# KiCad board FrontEnd_5G.kicad_pcb (continued)
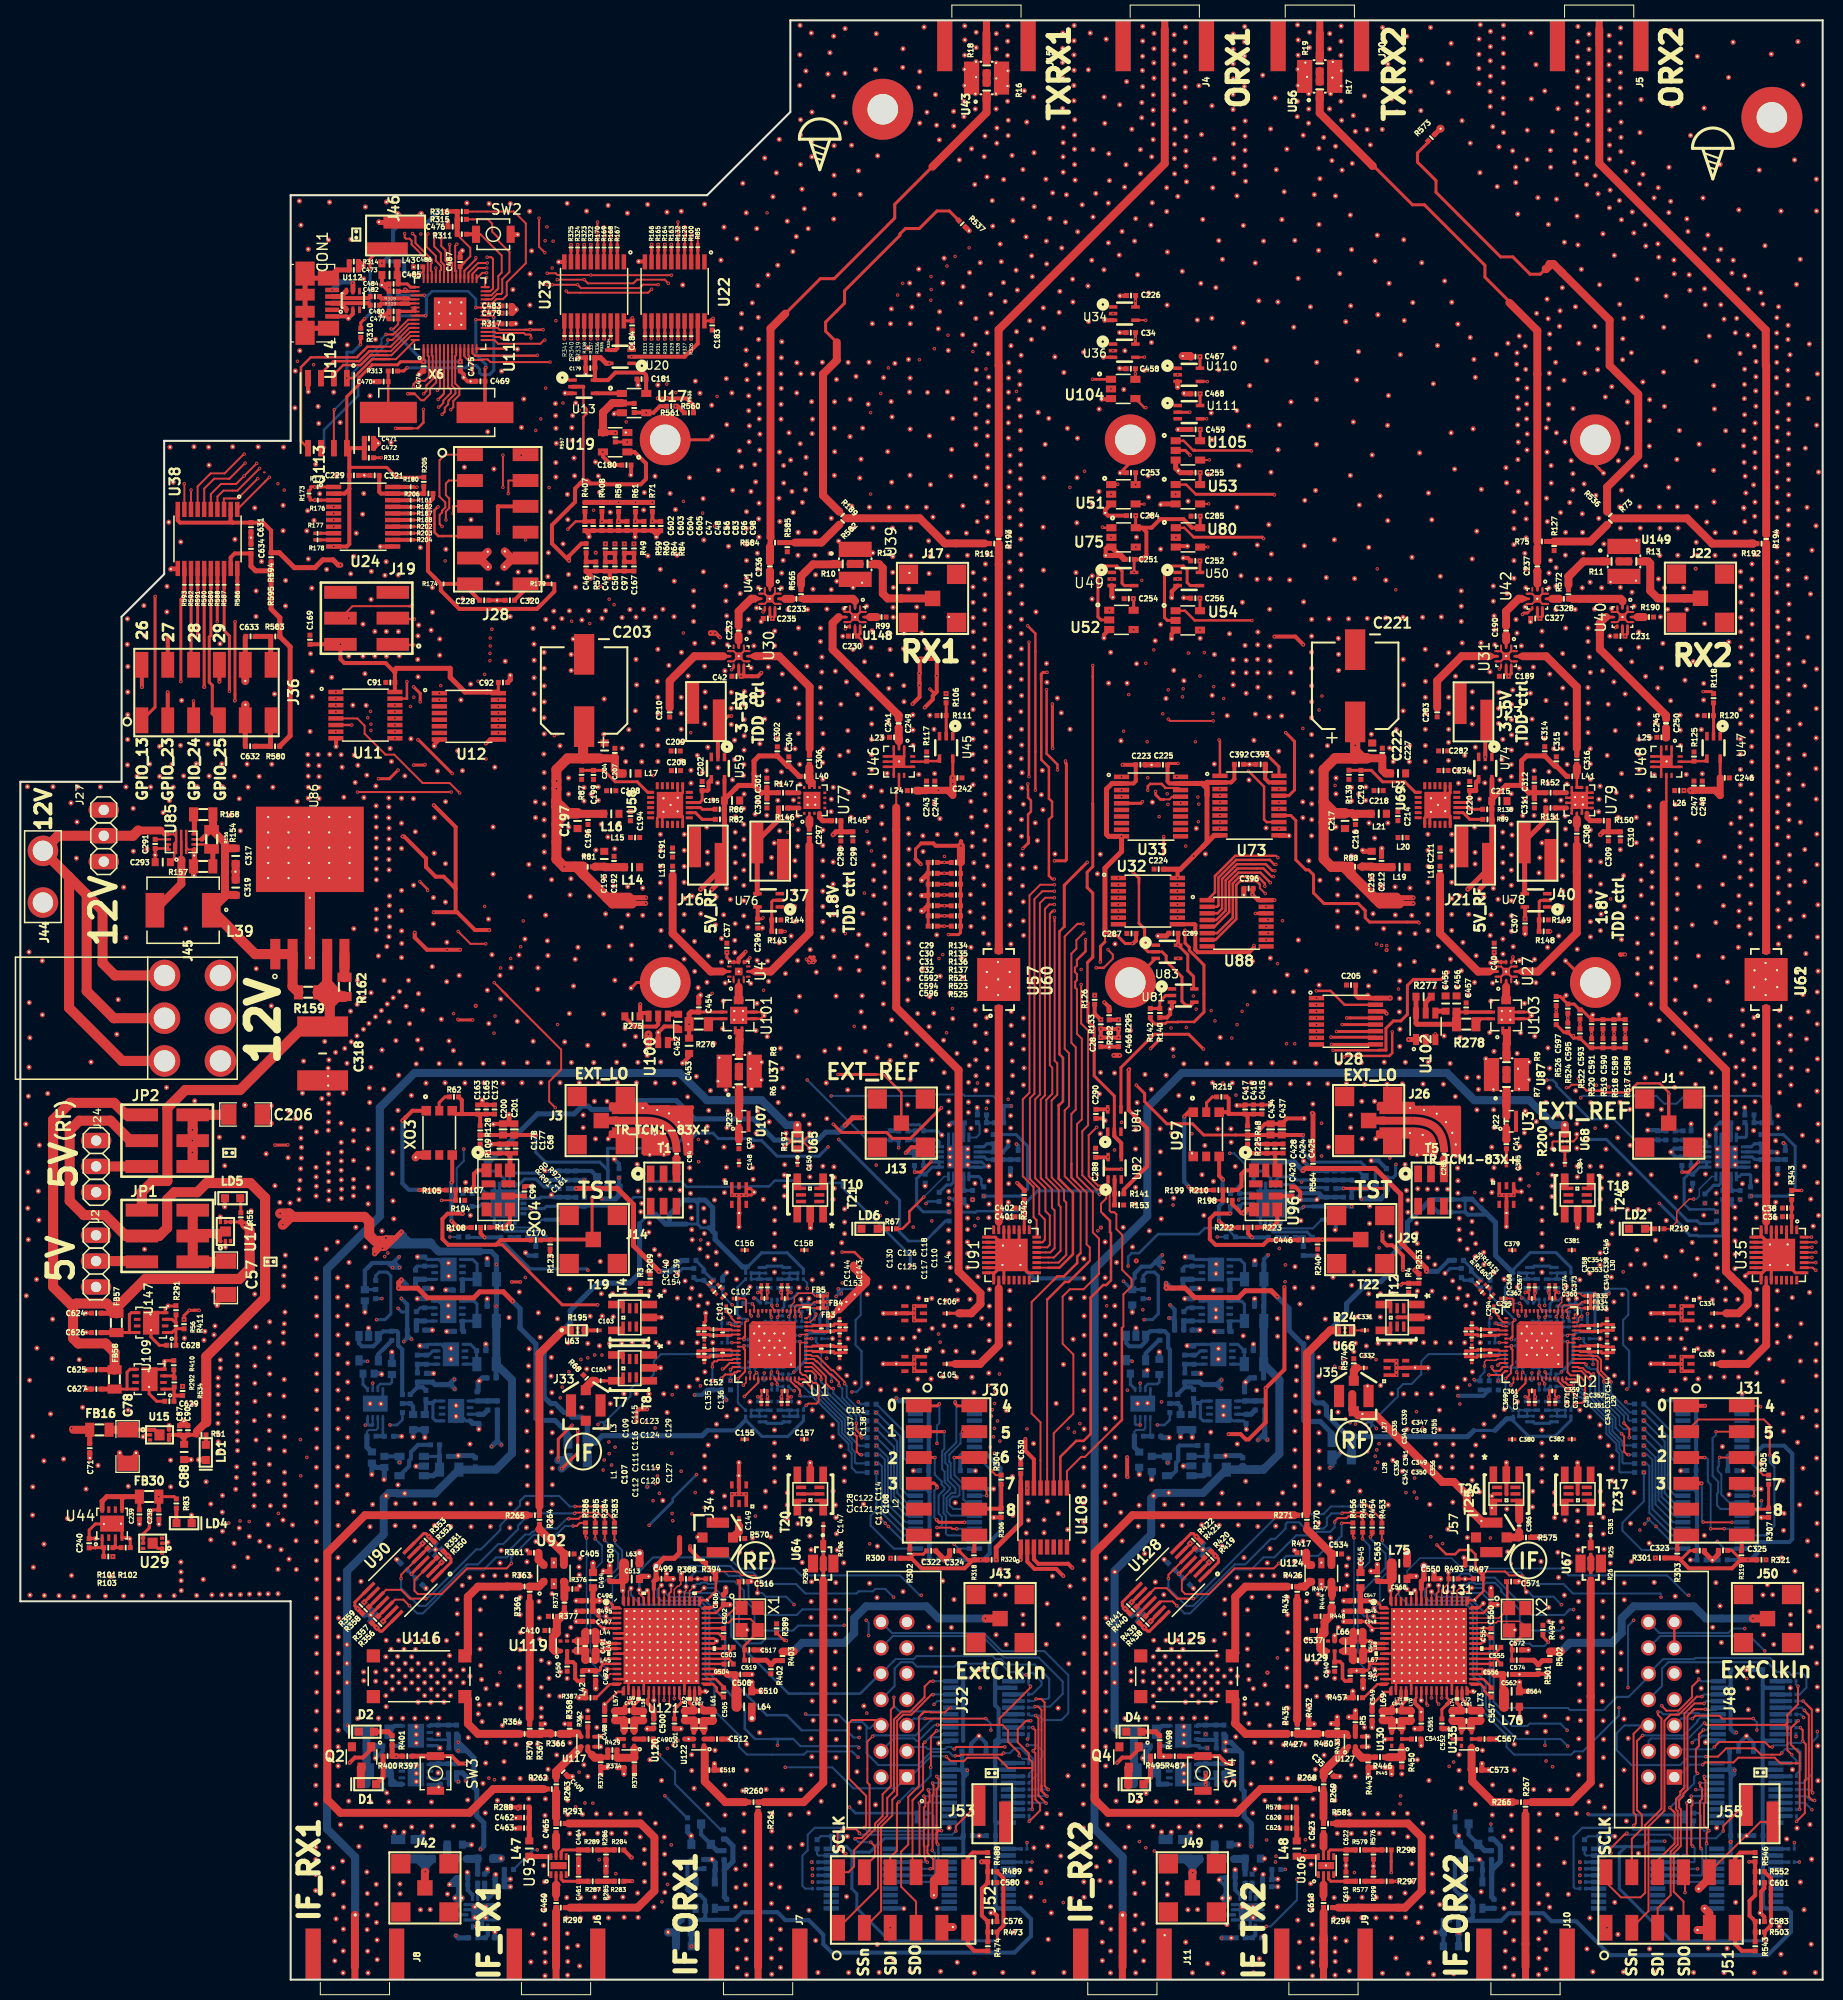
[diagram p0: board, top side]
## Routing (per net, layer and track width the routed paths; a pad name or vN(x,y) marks a point on that pad's centre or on a via; arc(x,y) is an arc through that point) (continued)
Net-(C1-Pad1): length 2.4
  F.RO w0.15: U1.41 77.63,64.61 78.21,65.19 v2(78.21,65.42)
  B2.RO w0.15: FB1.2 78.05,65.26 v2(78.21,65.42) 78.02,65.61 C1.1
Net-(C2-Pad1): length 2.7
  F.RO w0.15: U1.42 77.63,65.31 v2(77.63,65.44) 77.63,65.4
  B2.RO w0.15: 77.63,65.65 v2(77.63,65.44) ; 77.63,65.65 77.63,64.6 77.9,64.33 FB2.2 ; 77.63,65.65 C2.1
Net-(C3-Pad1): length 6.3
  F.RO w0.15: U1.45 U1.45 ; U1.45 U1.45 ; U1.45 75.73,65.51 75.53,65.26 v2(75.53,65.16) ; U1.45 75.73,66.24 76.07,66.58 76.07,67.03 76.38,67.34 76.38,67.34 76.51,67.47 77.84,67.47 78.1,67.21 FB5.2
  B2.RO w0.15: 75.61,65.64 75.61,65.24 75.52,65.15 ; C3.1 75.62,65.07 v2(75.53,65.16) 75.62,65.25 C4.1
Net-(C5-Pad1): length 5.2
  F.RO w0.15: FB4.2 78.03,66.61 77.73,66.31 76.33,66.31 76.13,66.11 U1.44 ; U1.44 U1.44 ; U1.44 U1.44 ; U1.44 v2(76.13,65.15) U1.44
  B.FR4 w0.15: v2(76.13,65.15) 76.13,65.15
  B2.RO w0.15: 76.21,65.64 76.21,65.52 ; C5.1 76.22,65.06 v2(76.13,65.15) 76.22,65.24 C8.1
Net-(C6-Pad1): length 2.4
  F.RO w0.15: 69.72,64.48 69.9,64.3 ; 69.72,64.48 69.9,64.3 ; 69.72,64.48 v2(69.72,64.51) 69.72,64.48 ; 69.9,64.3 70.14,64.3 70.23,64.21 70.75,64.21 U1.3
  B2.RO w0.2: 70.35,64.5 69.5,64.5
Net-(C7-Pad1): length 3.4
  F.RO w0.15: v2(71.72,59.67) 71.73,59.66 U1.16
  B2.RO w0.15: C7.1 71.64,60.13 71.72,60.05 v2(71.72,59.67)
  B2.RO w0.2: 71.62,60.14 70.89,60.14 70.48,60.56 70.48,61.48
Net-(C9-Pad1): length 2.2
  F.RO w0.15: v2(72.38,59.66) 72.13,59.41 U1.17
  B2.RO w0.15: 72.55,58.92 72.52,58.94 ; FB6.2 72.57,58.94 72.53,58.98 72.53,59.51 v2(72.38,59.66) 72.23,59.81 C9.1
Net-(C10-Pad1): length 5.7
  F.RO w0.15: FB3.2 76.63,66.01 76.53,65.91 U1.43 U1.43 76.69,65.56 v2(76.69,65.22)
  B2.RO w0.15: 76.81,65.64 76.81,64.69 ; 76.82,65.09 76.74,65.17 76.82,65.25 C11.1 76.82,65.35 v2(76.69,65.22) 76.82,65.09 ; 76.82,65.09 C10.1 76.82,65.09
Net-(C12-Pad1): length 1.8
  F.RO w0.15: U1.7 v2(69.93,62.61)
  B2.RO w0.15: 69.92,62.6 69.5,62.6
  B2.RO w0.2: 69.52,63.23 69.52,62.95 69.5,62.93 69.5,62.6
Net-(C13-Pad1): length 2.3
  F.RO w0.15: v2(74.43,65.11) 74.53,65.21 U1.48
  B2.RO w0.15: 75.01,64.69 74.41,64.69 74.41,65.12
  B2.RO w0.2: 74.41,65.12 74.54,65.24 74.91,65.24
Net-(C16-Pad1): length 2.4
  F.RO w0.15: v2(74.43,59.71) 74.53,59.61 U1.23
  B2.RO w0.15: 74.42,59.72 74.42,60.14 75.02,60.14
  B2.RO w0.2: 74.42,59.72 74.62,59.52 74.95,59.52
Net-(C18-Pad1): length 2.4
  F.RO w0.15: v2(73.83,65.11) 73.73,65.21 U1.50
  B2.RO w0.15: 73.21,64.69 73.81,64.69 73.81,65.12
  B2.RO w0.2: 73.81,65.12 73.81,65.32 73.74,65.39 73.74,65.72
Net-(C21-Pad1): length 1.9
  F.RO w0.2: v2(77.79,63.01) U1.37
  B2.RO w0.2: 77.78,63 78.22,63 78.22,62.67 78.73,62.16
Net-(C22-Pad1): length 3.2
  F.RO w0.15: v2(73.83,59.71) 73.73,59.61 U1.21
  B2.RO w0.15: 73.82,59.72 73.82,60.14 73.22,60.14
  B2.RO w0.2: 73.82,59.72 73.82,59.52 74.42,58.92 74.95,58.92
Net-(C23-Pad1): length 2.2
  F.RO w0.15: 74.13,65.63 U1.49 ; U1.49 74.14,65.75 74.03,65.86 74.03,65.97 73.87,66.13 73.87,66.31
  F.RO w0.2: 73.87,66.31 v2(73.87,66.29)
  B2.RO w0.2: 73.85,66.53 73.84,66.53 73.85,66.53 ; 73.85,66.53 73.86,66.3 v2(73.87,66.29) 73.86,66.3 C23.1 ; 73.85,66.53 FB8.1
Net-(C27-Pad1): length 2.1
  F.RO w0.15: 74.14,59.06 U1.22 ; v2(74.4,58.53) 74.4,58.7 74.23,58.86 74.23,59.04 74.16,59.11 U1.22
  F.RO w0.2: v2(74.4,58.53) 74.4,58.53
  B2.RO w0.2: 74.97,58.3 FB13.1 74.41,58.3 74.4,58.29 v2(74.4,58.53) 74.4,57.96
Net-(C33-Pad1): length 2
  B2.RO w0.4: R38.1 37.57,56.63 R425.1 38.61,56.35 C33.1
Net-(C36-Pad1): length 3
  F.RO w0.3: U35.2 C36.1 C38.1 R343.2
Net-(C39-Pad2): length 1.1
  F.RO w0.79: U107.1 70.64,83.62 C39.2
Net-(C41-Pad2): length 1.4
  F.RO w0.3: U3.1 146.08,83.64 R22.1 ; 146.08,82.57 C41.2
  F.RO w0.79: C41.2 146.08,82.57 U3.1
Net-(C45-Pad1): length 4
  B2.RO w0.4: U94.5 37.48,22.97 C45.1 36.53,24.07 FB24.2 36.81,24.95 U94.8
Net-(C46-Pad1): length 1.9
  F.RO w0.4: R57.2 C46.1 R49.1
Net-(C49-Pad1): length 3.6
  F.RO w0.4: C50.1 C49.1 R59.1 R60.1 C50.1
Net-(C54-Pad1): length 5.6
  B2.RO w0.3: U5.8 43.47,68.84 FB18.2 44.9,70.35 44.46,70.79 U5.5
  B2.RO w0.5: C54.1 43.46,67.77 U5.8
Net-(C55-Pad1): length 5.7
  B2.RO w0.3: U6.8 44.88,64.74 FB19.2 44.89,66.41 44.61,66.69 U6.5
  B2.RO w0.5: C55.1 43.45,63.84 U6.8
Net-(C58-Pad1): length 3.9
  B2.RO w0.3: U7.5 44.24,62.45 C58.1 44.86,60.52 FB20.2 44.87,60.5 U7.8
Net-(C59-Pad2): length 4.6
  B2.RO w0.2: R45.1 34.07,53.85 34.25,54.03 34.97,54.03 35.14,54.2 U10.6
  B2.RO w0.5: C59.2 34.07,52.35 R45.1
Net-(C60-Pad1): length 2.7
  B2.RO w0.3: C60.1 44.89,56.88 U8.1
  B2.RO w0.5: R50.1 46.88,56.88 R29.1 C60.1
Net-(C61-Pad1): length 2.8
  B2.RO w0.3: U7.1 40.95,60.49 C61.1
  B2.RO w0.4: R54.1 39.02,59.64 R31.1 C61.1
Net-(C62-Pad1): length 2.8
  B2.RO w0.3: C62.1 39.73,68.83 U5.1
  B2.RO w0.5: C62.1 R33.1 R52.1
Net-(C64-Pad1): length 2.7
  B2.RO w0.3: C64.1 39.75,64.73 U6.1
  B2.RO w0.5: C64.1 38.95,64.74 R35.1 R53.1
Net-(C65-Pad1): length 5.8
  B2.RO w0.3: 39.66,51.43 C65.1
  B2.RO w0.4: R14.2 41.2,52.55 C65.1
  B2.RO w0.5: C65.1 41.2,50.14 FB21.2 40.61,49.53 39.66,49.53
Net-(C70-Pad1): length 3.7
  B2.RO w0.3: U18.20 90.32,81.87 90.32,82.35 90.14,82.53 C72.1 C70.1 R63.1
Net-(C70-Pad2): length 0.8
  B2.RO w0.3: R65.1 87.25,83.43 C70.2
Net-(C73-Pad2): length 2.4
  B2.RO w0.25: U18.18 88.8,80.87
  B2.RO w0.3: 88.8,80.87 C73.2 R66.2
Net-(C74-Pad2): length 30
  F.RO w0.3: v2(87.91,79.37) 88.52,79.37 88.52,79.38 v2(89.52,80.38)
  F.FR4 w0.3: v2(91.3,75.47) 91.35,75.42 93.79,75.42 94.11,75.74 94.11,76.16 94.71,76.76 v2(94.71,77.02)
  B2.RO w0.3: v2(87.91,79.37) 87.89,79.39 R66.1 ; v2(89.52,80.38) 90.31,80.38 U18.17 U18.16 89.64,79.87 C74.2 88.55,79.18 88.11,78.74 88.11,76.11 88.75,75.47 v2(91.3,75.47) ; 97.33,83.06 97.88,83.06 99.02,81.92 99.02,77.7 98.34,77.02 v2(94.71,77.02) ; 97.33,83.06 97.28,83.06 ; 97.33,83.06 FB22.2
Net-(C75-Pad1): length 3.9
  B2.RO w0.3: U18.6 94.72,81.86 95.02,82.16 FB22.1 C75.1 95.64,81.36 U18.7
Net-(C76-Pad1): length 2.2
  B2.RO w0.3: U18.12 92.75,78.93 C76.1 R76.1
Net-(C77-Pad1): length 5.7
  B2.RO w0.3: 40.52,56.68 40.55,56.65 40.55,55.21 40.84,54.92 U8.5 ; U8.8 40.71,56.88
  B2.RO w0.4: C77.1 39.86,55.65 39.86,56.66 ; 40.71,56.88 40.52,56.68 39.86,56.68 39.86,56.66 ; 39.86,56.66 R428.1
Net-(C78-Pad1): length 5.2
  F.RO w0.4: U15.1 13.18,54.05 U15.1 10.54,54.05 C78.1
  F.RO w0.79: FB16.2 8.72,54.05 C78.1
Net-(C79-Pad1): length 1.5
  B2.RO w0.4: C79.1 R74.2 C84.2
Net-(C79-Pad2): length 1.6
  B2.RO w0.3: C79.2 95.02,80.6 94.76,80.86 U18.8
Net-(C80-Pad1): length 2
  B2.RO w0.3: 92.74,83.53 92.74,84.04 ; 92.74,83.53 92.74,84.16 92.82,84.24 C80.1 ; 92.74,83.53 U18.4
Net-(C81-Pad1): length 1.7
  B2.RO w0.3: C81.1 33.68,58.5 34.13,58.05 U10.1
Net-(C82-Pad2): length 2.6
  B2.RO w0.25: C82.2 36.52,58.73 36.34,58.55 35.38,58.55 35.14,58.31 U10.3
Net-(C85-Pad1): length 1.6
  B2.RO w0.3: R79.1 C85.1 94.99,84.22 C89.2
Net-(C85-Pad2): length 2.4
  B2.RO w0.2: U18.5 93.25,82.78 93.97,82.78 94.3,83.11 94.3,84.01 C85.2
Net-(C93-Pad1): length 2.1
  F.RO w0.15: U2.41 153.08,64.61 153.18,64.71 153.18,65.04 153.34,65.2 v2(153.5,65.2) 153.49,65.2
  B2.RO w0.15: 153.47,65.86 153.47,65.43 153.5,65.41 v2(153.5,65.2) FB31.2
Net-(C95-Pad1): length 2.7
  F.RO w0.15: U2.42 152.78,65.4 152.77,65.4 v2(153.01,65.4)
  B2.RO w0.15: 152.87,65.86 152.87,65.84 153.01,65.7 v2(153.01,65.4) 153.01,64.39 153.07,64.33 FB32.2
Net-(C99-Pad1): length 1.6
  F.RO w0.4: C99.1 47.96,77.02
Net-(C100-Pad1): length 0.8
  B2.RO w0.4: C100.1 R112.2
Net-(C103-Pad1): length 1.1
  F.RO w0.4: U63.3 55.35,63.82 56.46,63.82
Net-(C119-Pad2): length 2.3
  F.RO w0.2: 69.84,61.89 69.91,61.81 70.62,61.81
  F.RO w0.3: C127.1 69.01,61.91 C119.2 ; 69.84,61.89 69.02,61.89 68.99,61.91
Net-(C120-Pad2): length 2.3
  F.RO w0.2: 68.99,61.31 69.02,61.34 ; 70.62,61.41 69.93,61.41 69.85,61.34
  F.RO w0.3: C127.2 69.01,61.31 C120.2 ; 69.85,61.34 69.02,61.34 68.99,61.31
Net-(C121-Pad2): length 2.3
  F.RO w0.2: 77.91,61.74 77.84,61.81 77.14,61.81
  F.RO w0.3: 79.36,61.71 78.76,61.71 C128.1 77.91,61.74
Net-(C122-Pad2): length 2.3
  F.RO w0.2: 78.76,62.31 C128.2 ; 77.9,62.29 77.82,62.21 77.14,62.21
  F.RO w0.3: C122.2 78.76,62.31 C128.2 77.9,62.29
Net-(C123-Pad2): length 2.3
  F.RO w0.2: 69.86,63.89 69.93,63.81 U1.4
  F.RO w0.3: C123.2 69.01,63.91 C129.1 69.86,63.89
Net-(C124-Pad2): length 2.3
  F.RO w0.2: 69.01,63.31 C129.2 ; 69.87,63.34 69.95,63.41 U1.5
  F.RO w0.3: C124.2 69.01,63.31 C129.2 69.87,63.34
Net-(C125-Pad2): length 2.3
  F.RO w0.2: 77.93,63.73 77.86,63.81 77.15,63.81
  F.RO w0.3: 78.74,63.74 78.76,63.71 79.36,63.71 ; 77.93,63.73 78.75,63.73 78.78,63.71
Net-(C126-Pad2): length 2.3
  F.RO w0.2: 78.78,64.31 78.75,64.28 ; 77.15,64.21 77.84,64.21 77.92,64.28
  F.RO w0.3: 78.74,64.29 78.76,64.31 79.36,64.31 ; 77.92,64.28 78.75,64.28 78.78,64.31
Net-(C131-Pad1): length 4.2
  B2.RO w0.2: 71.83,55.36 71.83,55.96 71.83,55.96 72.66,55.96 ; 73.25,55.37 72.65,55.37 72.65,55.96
  B2.RO w0.25: 73.63,55.97 72.83,55.97
  B2.RO w0.3: FB26.2 71.85,55.38 C131.1
Net-(C132-Pad1): length 4.4
  B2.RO w0.2: 75.01,55.36 75.61,55.36 75.61,55.96 ; 76.39,55.38 76.42,55.36 76.42,55.96 ; 75.61,55.96 75.61,55.96 76.42,55.96
  B2.RO w0.25: 74.65,55.96 74.65,55.96 75.61,55.96
  B2.RO w0.3: FB27.2 76.42,55.38 C142.1
Net-(C133-Pad1): length 4.4
  B2.RO w0.2: 71.83,68.84 72.64,68.84 72.64,68.85 ; 71.83,68.85 71.83,69.45 71.86,69.42 ; 72.64,68.85 72.64,69.44 73.24,69.44
  B2.RO w0.25: 72.64,68.85 73.6,68.85
  B2.RO w0.3: FB25.2 71.85,69.44 C133.1
Net-(C134-Pad1): length 4.2
  B2.RO w0.2: 75.59,68.85 76.42,68.85 76.42,69.45 ; 75.6,68.84 75.6,69.43 75,69.43
  B2.RO w0.25: 74.62,68.84 75.42,68.84
  B2.RO w0.3: FB28.2 76.42,69.44 C146.1
Net-(C147-Pad2): length 1.6
  F.RO w0.3: C147.2 78.92,44.3 U64.1
Net-(C162-Pad1): length 5.2
  B2.RO w0.3: U21.18 47.61,73.62 47.65,73.58 51.16,73.58 51.58,73.16 C162.1
  B2.RO w0.4: C162.1 51.59,72.96
Net-(C162-Pad2): length 1.7
  B2.RO w0.4: R113.1 C162.2 R112.1
Net-(C163-Pad1): length 7.4
  F.RO w0.4: C163.1 45.2,84.84 R128.2 ; C163.1 C165.2 C173.2 ; C163.1 43.4,85.08 ; 43.4,85.08 42.78,85.08 42.46,85.41 ; 43.4,85.08 43.4,86.44 R62.1
Net-(C167-Pad1): length 3.6
  F.RO w0.4: R84.1 R64.1 C97.1 C167.1 R84.1
Net-(C171-Pad1): length 2.3
  B2.RO w0.3: 66.2,69 66.46,68.74 67.18,68.74 67.95,67.97 68.11,67.97
Net-(C172-Pad2): length 2.7
  B2.RO w0.3: 66.4,70.68 67.18,69.91 67.18,69.63 68.07,68.74 68.11,68.74
Net-(C177-Pad2): length 6
  F.RO w0.4: R109.1 45.2,81.5 45.47,81.23 C178.2 C177.2 47.9,81.24 C68.1
  F.RO w0.5: XO4.9 48.13,80.99 C177.2
Net-(C187-Pad1): length 4
  B2.RO w0.4: U26.5 112.92,22.97 C187.1 111.97,24.07 FB17.2 112.25,24.95 U26.8
Net-(C188-Pad1): length 4
  B2.RO w0.4: 111.77,20.47 FB23.2 112.25,21.15 U89.8
  B2.RO w0.5: 112.77,19.22 C188.1 111.87,20.37 FB23.2
Net-(C190-Pad1): length 1.1
  F.RO w0.3: 146.06,132.14 C190.1 ; 146.06,131 146.06,131.6
  F.RO w0.79: C190.1 146.06,132.14 146.06,131.6
Net-(C190-Pad2): length 10.2
  F.RO w0.3: 147.28,135.73 146.06,134.5 146.06,133.18 ; U42.5 147.89,135.73
  F.RO w0.5: 147.28,135.73 146.06,134.5 146.06,133.18 ; 147.89,135.73 147.56,135.73
  F.RO w0.79: 147.56,135.73 147.28,135.73 146.05,134.49 C190.2
Net-(C192-Pad2): length 6.2
  F.RO w0.4: L14.1 59.21,109.51 C192.2 58.25,109.4 C193.2 57.38,109.38 R81.1
  F.RO w0.79: 56.49,109.37 56.52,109.4 C193.2 57.46,109.34 L14.1
Net-(C199-Pad2): length 7.7
  F.RO w0.3: R87.2 55.18,118.86 C199.2 57.36,118.86 58.48,117.74 60.64,117.74 61.68,116.7 U58.19
Net-(C202-Pad1): length 4.1
  F.RO w0.3: C202.1 67.02,115.92 66.8,115.7 U58.10
  F.RO w0.4: C202.1 67.55,116.87 67.65,116.97 67.65,117.71 U59.4
  F.RO w0.5: C202.1 67.03,116.86
Net-(C206-Pad1): length 56.6
  F.RO w0.3: U29.1 13.51,42.4 U29.1 ; v1(16.92,82.47) 16.92,82.47 JP2.4
  F.RO w0.4: 13.93,41.94 v2(13.94,41.95) U29.1
  F.RO w0.5: v1(16.92,83.53) 16.94,83.53 ; v1(16.92,83.53) 16.94,83.53 ; v1(16.92,83.53) 16.94,83.53 ; v1(16.92,81.31) 16.94,81.31 ; v1(16.92,81.31) 16.94,81.31 ; v1(16.92,81.31) 16.94,81.31
  F.RO w0.79: 16.94,82.47 JP2.4
  F.RO w1: JP2.6 JP2.4 JP2.2 20.45,85 C206.1
  B.FR4 w0.5: v2(13.94,41.95) 12.56,43.33 12.56,52.37 13.73,53.54 13.73,58.39 17.19,61.85 17.19,64.15 18.22,65.18 18.22,81.17 v1(16.92,82.47) ; v1(16.92,82.47) v1(16.92,83.53) ; v1(16.92,82.47) v1(16.92,81.31)
Net-(C212-Pad2): length 5.2
  F.RO w0.4: C213.2 132.83,109.39 R88.1 ; L19.1 133.98,109.34 C212.2
  F.RO w0.79: 131.91,109.4 131.92,109.4 131.93,109.41 C213.2 132.91,109.34 L19.1
Net-(C219-Pad2): length 7.7
  F.RO w0.3: R139.2 130.62,118.86 C219.2 132.8,118.86 133.93,117.74 136.09,117.74 137.12,116.71 U69.19
Net-(C220-Pad1): length 4.2
  F.RO w0.3: C220.1 142.47,115.94 142.25,115.71 U69.10
  F.RO w0.4: 143.09,116.88 143.09,116.87 143.09,117.72 143.36,117.99
  F.RO w0.5: 143.09,116.88 C220.1
Net-(C228-Pad1): length 4.3
  F.RO w0.4: 41.88,137.19 J28.6 44.2,136.53 C228.1
Net-(C232-Pad1): length 1.1
  F.RO w0.3: 70.61,131.6 70.61,131.02 U30.2
  F.RO w0.79: C232.1 70.61,131.6
Net-(C232-Pad2): length 5
  F.RO w0.3: 71.85,135.73 71.19,135.07 ; U41.5 72.43,135.73
  F.RO w0.5: 72.43,135.73 72.15,135.73
  F.RO w0.79: 72.15,135.73 71.85,135.73 70.61,134.49 C232.2
Net-(C233-Pad1): length 8.6
  F.RO w0.3: 82.05,135.58 U39.2
  F.RO w0.5: 76.75,135.71 77,135.71 ; 76.75,135.71 77,135.71 ; 76.75,135.71 C233.1 ; 77,135.71 77,135.72 ; 77,135.71 77.01,135.72 ; 79.86,135.72 81.84,135.72
  F.RO w0.79: 79.86,135.72 77.01,135.72 ; 82.05,135.51 81.84,135.72 79.62,135.72 79.61,135.71
Net-(C233-Pad2): length 1.2
  F.RO w0.3: 75.18,135.72 74.62,135.72 U41.11
  F.RO w0.79: C233.2 75.18,135.72
Net-(C236-Pad1): length 3.1
  F.RO w0.3: C236.1 U41.2
  F.RO w0.79: 73.68,137.2 73.69,137.2 73.69,138.44 C236.1
Net-(C236-Pad2): length 56.7
  F.RO w0.3: 75.2,163.75 78.64,167.19 80,167.19 85.95,173.14 85.95,174.49 89.66,178.2
  F.RO w0.5: C236.2 73.68,141.25 ; R584.2 73.74,141.78
  F.RO w0.79: 73.68,140.81 73.69,140.8 73.69,139.36 C236.2 ; 89.66,178.2 94.98,183.52 U43.1 ; 73.74,141.78 73.74,162.29 75.2,163.75
Net-(C237-Pad1): length 1.8
  F.RO w0.3: 149.12,138.45 C237.1 ; U42.2 149.12,137.2
  F.RO w0.79: C237.1 149.12,138.45 149.12,137.2
Net-(C237-Pad2): length 55.2
  F.RO w0.3: 149.12,141.16 149.12,141.17 ; 132.92,178.28 133.02,178.28 136.85,174.45 138.02,174.45 143.97,168.5 143.97,167.34 146.38,164.93 146.38,164.82 ; 149.12,141.25 149.12,140.8
  F.RO w0.79: 146.38,164.82 149.12,162.08 R75.2 ; 132.93,178.28 132.92,178.28 127.73,183.47 R17.2 ; 149.12,140.8 C237.2
Net-(C239-Pad1): length 7.4
  F.RO w0.4: C239.1 11.7,46.18 FB30.2 ; 10.27,47.48 9.99,47.2 U44.5
  F.RO w0.5: FB30.2 8.49,47.48 8.04,47.02 U44.8
Net-(C240-Pad1): length 3.4
  F.RO w0.3: R101.1 8.04,42.62 U44.1 ; R101.1 7.38,42.47 ; R101.1 R103.1 ; 7.38,42.47 7.38,42.47 ; 7.38,42.47 7.36,42.45 C240.1
Net-(C241-Pad2): length 3
  F.RO w0.25: 86.37,121.08 86.37,122.08 L23.1
  F.RO w0.4: 86.37,121.5 86.38,121.5 86.38,122.07 L23.1
  F.RO w0.79: C241.2 L23.1 86.34,121.77 86.38,121.73
Net-(C245-Pad2): length 0.9
  F.RO w0.79: 161.78,122.11 L25.1 161.78,122.11 ; 161.78,122.11 C245.2
Net-(C257-Pad1): length 5.7
  F.RO w0.15: v2(150.98,65.16) 150.98,65.27 151.18,65.47 U2.45 151.18,66.24 151.52,66.58 151.52,67.03 151.94,67.45 153.31,67.45 153.55,67.21 FB35.2
  B2.RO w0.15: 150.97,65.18 151.07,65.08 C257.1 ; 150.97,65.18 150.97,65.28 151.07,65.38 C258.1 ; 150.97,65.18 150.97,65.17 v2(150.98,65.16)
Net-(C259-Pad1): length 4.9
  F.RO w0.15: FB34.2 153.49,66.62 153.18,66.31 151.78,66.31 151.58,66.11 U2.44 ; U2.44 U2.44 U2.44 ; U2.44 151.58,65.19 v2(151.56,65.17)
  B2.RO w0.15: C262.1 151.67,65.53 C262.1 ; C262.1 151.67,65.28 v2(151.56,65.17) 151.67,65.06 C259.1
Net-(C260-Pad1): length 2.1
  F.RO w0.15: v2(145.07,64.52) 145.26,64.33 145.57,64.33 145.69,64.21 U2.3
  B2.RO w0.15: 145.29,64.52 145.28,64.51
  B2.RO w0.2: 145.28,64.51 144.95,64.51 ; 145.29,64.52 145.81,64.52
  B2.RO w0.3: v2(145.07,64.52) 145.06,64.51 FB37.2
Net-(C261-Pad1): length 3.4
  F.RO w0.15: v2(147.09,59.71) 147.18,59.62 U2.16
  B2.RO w0.15: v2(147.09,59.71) 147.08,59.72 147.08,60.15
  B2.RO w0.2: 145.94,61.48 145.94,60.57 146.36,60.15 147.08,60.15
Net-(C263-Pad1): length 2.1
  F.RO w0.15: v2(147.68,59.71) 147.58,59.61 U2.17
  B2.RO w0.15: 147.68,60.14 v2(147.68,59.71) 147.7,59.71 147.98,59.43 147.98,58.96 148.01,58.93
Net-(C264-Pad1): length 4.6
  F.RO w0.15: FB33.2 153.3,66.01 153.25,66.06 152.74,66.06 152.69,66.01 152.18,66.01 U2.43 151.98,65.72 152.11,65.59 v2(152.11,65.07) 152.11,65.04
  B2.RO w0.15: 152.27,65.66 152.27,64.7 ; 152.27,64.9 152.11,65.04 ; 152.28,64.71 C264.1 152.27,64.91 v2(152.11,65.07)
  B2.RO w0.2: C264.1 152.27,64.9
Net-(C266-Pad1): length 1.8
  F.RO w0.15: U2.7 v2(145.38,62.61)
  B2.RO w0.15: v2(145.38,62.61) 144.96,62.61
  B2.RO w0.2: 144.98,63.24 144.98,62.96 144.96,62.94 144.96,62.61
Net-(C267-Pad1): length 2.3
  F.RO w0.15: v2(149.88,65.11) 149.98,65.21 U2.48
  B2.RO w0.15: v2(149.88,65.11) 149.87,65.1 149.87,64.69 149.88,64.7 150.47,64.7
  B2.RO w0.2: 150.37,65.25 150,65.25 149.88,65.14 v2(149.88,65.11)
Net-(C270-Pad1): length 2.6
  F.RO w0.15: 149.98,59.63 U2.23
  F.RO w0.2: v2(149.88,59.73) 149.98,59.63 ; U2.23 U2.23
  B2.RO w0.2: v2(149.88,59.73) 150.08,59.53 FB45.1 150.48,59.61 C270.1
  B2.RO w0.25: C270.1 C273.1
Net-(C272-Pad1): length 2.5
  F.RO w0.15: v2(149.28,65.11) 149.18,65.21 U2.50
  B2.RO w0.15: 148.67,64.71 149.28,64.71 v2(149.28,65.11) 149.18,65.21 149.18,65.78 149.16,65.8
Net-(C275-Pad1): length 1.9
  F.RO w0.2: v2(153.24,63.02) 153.23,63.01 U2.37
  B2.RO w0.2: v2(153.24,63.02) 153.25,63.01 153.68,63.01 153.68,62.69 154.18,62.18
Net-(C276-Pad1): length 3.4
  F.RO w0.15: v2(149.29,59.72) 149.18,59.61 U2.21
  B2.RO w0.2: C276.1 149.28,59.73 v2(149.29,59.72) 149.29,59.52 149.65,59.16
  B2.RO w0.25: FB44.1 150.41,58.93 150.29,58.93 150.06,59.16 149.65,59.16 ; C279.1 C276.1
Net-(C277-Pad1): length 2
  F.RO w0.15: U2.49 149.58,65.77 149.47,65.88 149.47,65.98 149.32,66.14 149.32,66.25
  F.RO w0.2: 149.58,65.67 U2.49 ; v2(149.32,66.27) 149.32,66.25
  B2.RO w0.15: 149.31,66.28 v2(149.32,66.27)
  B2.RO w0.2: 149.3,66.86 149.08,66.86 FB38.1 ; 149.3,66.86 C277.1 ; 149.3,66.86 149.31,66.87 C277.1 ; C277.1 149.31,66.28 v2(149.32,66.27) ; 149.34,66.28 v2(149.32,66.27) ; v2(149.32,66.27) 149.31,66.28
Net-(C281-Pad1): length 2
  F.RO w0.15: U2.22 149.58,58.91 149.8,58.71 149.79,58.72 149.79,58.69 v2(149.84,58.55)
  B2.RO w0.2: v2(149.84,58.55) 149.86,58.53 C281.1 ; C281.1 149.82,58 ; C281.1 149.86,57.98 ; 150.42,58.3 150.41,58.29
  B2.RO w0.25: C281.1 149.85,57.98 150.09,57.98 150.42,58.3
Net-(C291-Pad1): length 1.3
  F.RO w0.2: U85.9 C291.1
Net-(C297-Pad1): length 1.6
  F.RO w0.25: C297.1 77.56,113.54 ; 77.56,114.05 U77.2
  F.RO w0.79: 77.56,113.54 77.56,114.05
Net-(C303-Pad1): length 2.4
  B2.RO w0.3: C305.1 141.91,68.75 R171.1 142.64,68.74 143.4,67.98 C303.1
Net-(C306-Pad2): length 4.3
  F.RO w0.25: U77.11 L40.2 78.06,117.77 U77.10
  F.RO w0.5: 77.56,119.17 C306.2
  F.RO w0.79: 77.79,117.62 77.56,117.85 L40.2 77.56,118.76 77.56,119.17
Net-(C308-Pad1): length 1.6
  F.RO w0.25: 153,113.55 C308.1 ; U79.2 153,114.06
  F.RO w0.79: 153,113.55 153,114.06
Net-(C313-Pad2): length 2.7
  B2.RO w0.3: C313.2 142.64,69.92 R171.2 142.64,69.64 143.53,68.75 R172.1
Net-(C316-Pad2): length 2.8
  F.RO w0.25: L41.2 153,118.27 153,117.19
  F.RO w0.3: 153.5,117.19 153,117.19
  F.RO w0.5: 153,118.72 153,118.71 L41.2 ; 153,119.19 C316.2
  F.RO w0.79: 153,118.71 153,119.18
Net-(C317-Pad2): length 33.7
  F.RO w0.25: U85.6 17.84,112.08
  F.RO w0.5: 17.84,112.08 R154.2
  F.RO w0.79: R158.2 18.93,113.18 R154.2 20.12,111.72 20.12,111.18 ; 20.12,111.18 20.12,106.62 ; 20.12,111.18 20.14,111.2 C317.2 ; 20.12,106.62 21.14,106.62 C319.2 ; 20.12,106.62 20.12,106.46 L39.1 18.77,105.28 20.12,106.62
  F.RO w1: R159.2 26.76,97.62 U86.2 U86.1 23.09,100.8 L39.1 18.83,105.11 20.94,103
Net-(C320-Pad1): length 4.3
  F.RO w0.4: C320.1 49.66,136.67 J28.12 R179.2
Net-(C321-Pad1): length 6.8
  F.RO w0.4: 36.57,146.09 U24.19 ; U24.19 35.45,146.06 35.28,146.23 C321.1 ; U24.19 39.66,146.06 R206.2 R205.2
Net-(C328-Pad1): length 6.3
  F.RO w0.3: 157.32,135.72 157.49,135.55 ; 157.49,135.46 U40.2
  F.RO w0.5: C328.1 152.58,135.72
  F.RO w0.79: 157.49,135.46 157.49,135.55 157.32,135.72 152.58,135.72
Net-(C328-Pad2): length 1.2
  F.RO w0.3: 151.28,135.73 C328.2 ; U42.11 150.58,135.73
  F.RO w0.79: C328.2 151.28,135.73 150.58,135.73
Net-(C331-Pad1): length 0.9
  F.RO w0.2: C331.1 R24.1
Net-(C347-Pad2): length 2.3
  F.RO w0.2: 145.31,63.89 145.39,63.81 U2.4
  F.RO w0.3: 145.31,63.89 144.49,63.89 C355.1 144.46,63.91 C347.2
Net-(C348-Pad2): length 2.3
  F.RO w0.2: 145.32,63.34 145.39,63.41 U2.5
  F.RO w0.3: 145.32,63.34 144.49,63.34 C355.2 144.46,63.31 C348.2
Net-(C349-Pad2): length 2.3
  F.RO w0.2: 145.29,61.89 145.37,61.81 U2.9
  F.RO w0.3: C349.2 144.46,61.91 C356.1 144.49,61.89 145.29,61.89
Net-(C350-Pad2): length 2.3
  F.RO w0.2: 145.3,61.34 145.37,61.41 U2.10
  F.RO w0.3: C350.2 144.46,61.31 C356.2 144.49,61.34 145.3,61.34
Net-(C351-Pad2): length 2.1
  F.RO w0.2: 153.36,61.74 153.29,61.81 U2.34
  F.RO w0.3: 153.36,61.74 153.37,61.74 C357.1 154.21,61.71 C351.2
Net-(C352-Pad2): length 2.1
  F.RO w0.2: 153.35,62.29 153.27,62.21 U2.35
  F.RO w0.3: 153.35,62.29 153.34,62.28 154.18,62.28 154.21,62.31 C352.2
Net-(C353-Pad2): length 2.1
  F.RO w0.2: 153.38,63.74 153.31,63.81 U2.39
  F.RO w0.3: 153.38,63.74 153.39,63.74 C358.1 154.21,63.71 C353.2
Net-(C354-Pad2): length 2.9
  F.RO w0.2: 153.37,64.29 153.29,64.21 U2.40
  F.RO w0.25: 154.18,64.28 154.18,64.29 153.37,64.29
  F.RO w0.3: C354.2 154.21,64.31 154.18,64.28 153.38,64.28 153.37,64.29
Net-(C363-Pad1): length 4.4
  B2.RO w0.2: C375.1 148.11,69.46 C363.1 L35.1 148.09,68.85 147.28,68.85 147.28,69.46
  B2.RO w0.25: L31.1 L35.1
  B2.RO w0.3: 147.28,69.46 147.3,69.45 C363.1
Net-(C364-Pad1): length 4.4
  B2.RO w0.2: C376.1 148.7,55.39 148.12,55.39 148.12,55.97 R184.1 FB49.2 ; L36.1 L32.1
  B2.RO w0.3: C364.1 148.09,55.37 FB49.2
Net-(C365-Pad1): length 4.4
  B2.RO w0.2: L37.1 151.06,55.4 150.48,55.4 C365.1 ; L37.1 151.06,55.97 R185.1 FB50.2 ; L37.1 L33.1
  B2.RO w0.3: FB50.2 151.86,55.39 C377.1
Net-(C366-Pad1): length 4.4
  B2.RO w0.2: 151.05,68.86 R186.1 FB51.2 ; L34.1 C378.1 C366.1
  B2.RO w0.25: 151.05,68.86 L34.1 151.04,68.85 150.1,68.85 L38.1
  B2.RO w0.3: FB51.2 151.87,69.46 C378.1
Net-(C383-Pad2): length 1.6
  F.RO w0.3: U67.1 C383.2
Net-(C384-Pad2): length 1.3
  F.RO w0.3: U68.1 151.83,80.56
Net-(C394-Pad1): length 2.7
  B2.RO w0.4: U89.1 115.77,21.22 C394.1 R72.1 R347.1
Net-(C395-Pad1): length 2.7
  B2.RO w0.4: R348.1 R345.1 C395.1 115.77,25.02 U26.1
Net-(C401-Pad1): length 3
  F.RO w0.3: R342.2 C402.1 C401.1 98.68,73.71 U91.2
Net-(C410-Pad1): length 6.9
  F.RO w0.5: 52.35,32.59 52.65,32.29 U119.1 ; R377.2 53.22,35.71 53.48,35.97 R373.1 ; 52.74,34.07 52.49,34.32 C410.1
  F.RO w0.79: 53.48,35.97 52.74,35.23 52.74,34.07 52.35,33.68 52.35,32.52 52.56,32.31 52.63,32.31 52.64,32.3
Net-(C411-Pad2): length 7.9
  B2.RO w0.5: C411.2 69.21,10.78 70.05,11.62 70.05,13.14 69.37,13.82 R382.2 ; C411.2 69.21,8.12 R371.2 ; C411.2 69.21,11.74 R380.2
Net-(C412-Pad1): length 5.9
  B2.RO w0.4: FB46.2 36.81,21.15 U95.8 ; 36.44,19.22 36.46,19.2 U95.5 ; 36.44,19.8 36.92,19.32 36.92,19.22
  B2.RO w0.5: FB46.2 36.44,20.36 36.44,19.22 37.48,19.22 U95.5
Net-(C413-Pad1): length 2.7
  B2.RO w0.4: U95.1 40.33,21.22 C413.1 R27.1 R46.1
Net-(C414-Pad1): length 2.7
  B2.RO w0.4: U94.1 40.33,25.02 C414.1 R43.1 R47.1
Net-(C415-Pad1): length 7.5
  F.RO w0.3: 118.56,86.72 R215.1 118.64,86.77 118.78,86.62
  F.RO w0.4: C417.1 120.64,84.84 R48.2 ; C417.1 120.39,85.09 118.78,85.09 ; C417.1 C416.1 C415.1 ; 118.78,85.09 118.62,85.27 U97.5 ; 118.78,85.09 118.78,86.62
Net-(C419-Pad1): length 3.7
  B2.RO w0.2: C421.1 C419.1
  B2.RO w0.3: U98.20 165.76,82.35 165.58,82.53 C421.1 ; C419.1 R216.1
Net-(C419-Pad2): length 0.8
  B2.RO w0.3: R217.1 162.69,83.43 C419.2
Net-(C420-Pad1): length 1.6
  F.RO w0.4: C420.1 U96.7
Net-(C422-Pad1): length 2.4
  B2.RO w0.2: U98.18 164.24,80.87
  B2.RO w0.3: 164.24,80.87 C422.1 R218.2
Net-(C423-Pad1): length 31.9
  F.RO w0.25: v2(170.15,77.02) 170.15,77.03
  F.RO w0.3: v2(164.95,80.37) 163.95,79.37 v2(163.35,79.37)
  F.FR4 w0.25: v2(170.15,77.02) 169.91,76.78 169.91,75.94 169.35,75.38 166.83,75.38 v2(166.74,75.47)
  B2.RO w0.25: 163.55,76.24 164.09,75.7 166.51,75.7 v2(166.74,75.47) 166.55,75.66 ; 171.66,77.02 R220.1
  B2.RO w0.3: 170.79,77.02 170.7,77.02 ; 170.79,77.02 173.78,77.02 174.47,77.71 174.47,81.91 173.32,83.06 FB47.1 ; 170.79,77.02 v2(170.15,77.02) ; 166.73,75.46 v2(166.74,75.47) 166.75,75.46 ; v2(163.35,79.37) 163.34,79.38 163.34,80.02 ; 163.55,76.24 163.55,78.74 163.99,79.18 C423.1 165.08,79.87 U98.16 U98.17 v2(164.95,80.37)
Net-(C424-Pad1): length 6
  F.RO w0.4: C424.1 123.34,81.24 C425.1 ; C424.1 123.35,81.21 123.35,79.77 U96.9 ; C424.1 C428.1 120.91,81.23 120.64,81.5 R225.2
Net-(C426-Pad2): length 3.9
  B2.RO w0.3: U98.6 170.16,81.86 170.46,82.16 FB47.2 C426.2 171.08,81.36 U98.7
Net-(C427-Pad1): length 0.8